# Allegro board S071AA-0413-20260427_Power3.brd (continued)
## Footprints (pads in the part's own frame, mm; a bottom-side part is the same pattern mirrored in y, then rotated) (continued)
SO8_215X127MM
  rect 1.778x0.762 smd: 1(-2.731,2.032) 4(-2.731,-2.032) 5(2.731,-2.032) 8(2.731,2.032)
  rect 1.778x0.61 smd: 2(-2.731,0.635) 3(-2.731,-0.635) 6(2.731,-0.635) 7(2.731,0.635)
SOCKET_CODE
  round 0.051 smd: 1(0,0)
TP_040_T
  round 1.016 smd: 1(0,0)
TP_060_040
  round 1.524 hole 1.016: 1(0,0)
V93K_TOUCHSENSOR_FY
  round 0.051 smd: 1(0,0)

## Nets
AGND: BDB4.1 BDB5.1 BDB6.1 BDB7.1 BDB8.1 BDB9.1 BDB10.1 BDB13.1 BDB14.1 BDB15.1 BDB16.1 BDB17.1 BDB18.1 BDB19.1 BDB20.1 BDB21.1 BDB22.1 BDB23.1 BDB24.1 BDB25.1 BDB26.1 BDB27.1 BDB28.1 BDB29.1 BDB30.1 BDB31.1 BDB32.1 BDB33.1 BDB34.1 BDB35.1 BDB36.1 BDB37.1 BDB38.1 BDB39.1 BDB40.1 BDB41.1 BDB42.1 BDB43.1 BDB44.1 BDB45.1 C1.2 C3.2 C4.2 C5.2 C6.2 C7.2 C8.2 C9.2 C20.2 C21.2 C22.2 C23.2 C24.2 C25.2 C26.2 C27.2 C28.2 C29.2 C30.2 C31.2 C32.2 C33.2 C34.2 C35.2 C36.2 C37.2 C38.2 C39.2 C40.2 C41.2 C42.2 C43.2 C44.2 C45.2 C46.2 C47.2 C48.2 C49.2 C74.2 C75.2 C76.2 C77.2 C78.2 C79.2 C80.2 C81.2 C82.2 C83.2 C84.2 C85.2 CSDPS225.B2 CSDPS225.B4 CSDPS225.B6 CSDPS225.B8 CSDPS225.B10 CSDPS225.B12 CSDPS225.B14 CSDPS225.B16 CSDPS225.C1 CSDPS225.C3 CSDPS225.C5 CSDPS225.C7 CSDPS225.C9 CSDPS225.C11 CSDPS225.C13 CSDPS225.C15 CSDPS226.B2 CSDPS226.B4 CSDPS226.B6 CSDPS226.B8 CSDPS226.B10 CSDPS226.B12 CSDPS226.B14 CSDPS226.B16 CSDPS226.C1 CSDPS226.C3 CSDPS226.C5 CSDPS226.C7 CSDPS226.C9 CSDPS226.C11 CSDPS226.C13 CSDPS226.C15 CSDPS229.B2 CSDPS229.B4 CSDPS229.B6 CSDPS229.B8 CSDPS229.B10 CSDPS229.B12 CSDPS229.B14 CSDPS229.B16 CSDPS229.C1 CSDPS229.C3 CSDPS229.C5 CSDPS229.C7 CSDPS229.C9 CSDPS229.C11 CSDPS229.C13 CSDPS229.C15 CSDPS425.B2 CSDPS425.B4 CSDPS425.B6 CSDPS425.B8 CSDPS425.B10 CSDPS425.B12 CSDPS425.B14 CSDPS425.B16 CSDPS425.C1 CSDPS425.C3 CSDPS425.C5 CSDPS425.C7 CSDPS425.C9 CSDPS425.C11 CSDPS425.C13 CSDPS425.C15 CSDPS426.B2 CSDPS426.B4 CSDPS426.B6 CSDPS426.B8 CSDPS426.B10 CSDPS426.B12 CSDPS426.B14 CSDPS426.B16 CSDPS426.C1 CSDPS426.C3 CSDPS426.C5 CSDPS426.C7 CSDPS426.C9 CSDPS426.C11 CSDPS426.C13 CSDPS426.C15 CSDPS429.B2 CSDPS429.B4 CSDPS429.B6 CSDPS429.B8 CSDPS429.B10 CSDPS429.B12 CSDPS429.B14 CSDPS429.B16 CSDPS429.C1 CSDPS429.C3 CSDPS429.C5 CSDPS429.C7 CSDPS429.C9 CSDPS429.C11 CSDPS429.C13 CSDPS429.C15 D101.A1 D101.A2 D101.A3 D101.A4 D101.A5 D101.A6 D101.A7 D101.A8 D101.A9 D101.A10 D101.A11 D101.A12 D101.A13 D101.A14 D101.A15 D101.A16 D101.B1 D101.B2 D101.B3 D101.B4 D101.B5 D101.B6 D101.B7 D101.B8 D101.B9 D101.B10 D101.B11 D101.B12 D101.B13 D101.B14 D101.B15 D101.B16 D102.A1 D102.A2 D102.A3 D102.A4 D102.A5 D102.A6 D102.A7 D102.A8 D102.A9 D102.A10 D102.A11 D102.A12 D102.A13 D102.A14 D102.A15 D102.A16 D102.B1 D102.B2 D102.B3 D102.B4 D102.B5 D102.B6 D102.B7 D102.B8 D102.B9 D102.B10 D102.B11 D102.B12 D102.B13 D102.B14 D102.B15 D102.B16 D103.A1 D103.A2 D103.A3 D103.A4 D103.A5 D103.A6 D103.A7 D103.A8 D103.A9 D103.A10 D103.A11 D103.A12 D103.A13 D103.A14 D103.A15 D103.A16 D103.B1 D103.B2 D103.B3 D103.B4 D103.B5 D103.B6 D103.B7 D103.B8 D103.B9 D103.B10 D103.B11 D103.B12 D103.B13 D103.B14 D103.B15 D103.B16 D104.A1 D104.A2 D104.A3 D104.A4 D104.A5 D104.A6 D104.A7 D104.A8 D104.A9 D104.A10 D104.A11 D104.A12 D104.A13 D104.A14 D104.A15 D104.A16 D104.B1 D104.B2 D104.B3 D104.B4 D104.B5 D104.B6 D104.B7 D104.B8 D104.B9 D104.B10 D104.B11 D104.B12 D104.B13 D104.B14 D104.B15 D104.B16 D105.A1 D105.A2 D105.A3 D105.A4 D105.A5 D105.A6 D105.A7 D105.A8 D105.A9 D105.A10 D105.A11 D105.A12 D105.A13 D105.A14 D105.A15 D105.A16 D105.B1 D105.B2 D105.B3 D105.B4 D105.B5 D105.B6 D105.B7 D105.B8 D105.B9 D105.B10 D105.B11 D105.B12 D105.B13 D105.B14 D105.B15 D105.B16 D106.A1 D106.A2 D106.A3 D106.A4 D106.A5 D106.A6 D106.A7 D106.A8 D106.A9 D106.A10 D106.A11 D106.A12 D106.A13 D106.A14 D106.A15 D106.A16 D106.B1 D106.B2 D106.B3 D106.B4 D106.B5 D106.B6 D106.B7 D106.B8 D106.B9 D106.B10 D106.B11 D106.B12 D106.B13 D106.B14 D106.B15 D106.B16 D107.A1 D107.A2 D107.A3 D107.A4 D107.A5 D107.A6 D107.A7 D107.A8 D107.A9 D107.A10 D107.A11 D107.A12 D107.A13 D107.A14 D107.A15 D107.A16 D107.B1 D107.B2 D107.B3 D107.B4 D107.B5 D107.B6 D107.B7 D107.B8 D107.B9 D107.B10 D107.B11 D107.B12 D107.B13 D107.B14 D107.B15 D107.B16 D108.A1 D108.A2 D108.A3 D108.A4 D108.A5 D108.A6 D108.A7 D108.A8 D108.A9 D108.A10 D108.A11 D108.A12 D108.A13 D108.A14 D108.A15 D108.A16 D108.B1 D108.B2 D108.B3 D108.B4 D108.B5 D108.B6 D108.B7 D108.B8 D108.B9 D108.B10 D108.B11 D108.B12 D108.B13 D108.B14 D108.B15 D108.B16 D109.A1 D109.A2 D109.A3 D109.A4 D109.A5 D109.A6 D109.A7 D109.A8 D109.A9 D109.A10 D109.A11 D109.A12 D109.A13 D109.A14 D109.A15 D109.A16 D109.B1 D109.B2 D109.B3 D109.B4 D109.B5 D109.B6 D109.B7 D109.B8 D109.B9 D109.B10 D109.B11 D109.B12 D109.B13 D109.B14 D109.B15 D109.B16 D110.A1 D110.A2 D110.A3 D110.A4 D110.A5 D110.A6 D110.A7 D110.A8 D110.A9 D110.A10 D110.A11 D110.A12 D110.A13 D110.A14 D110.A15 D110.A16 D110.B1 D110.B2 D110.B3 D110.B4 D110.B5 D110.B6 D110.B7 D110.B8 D110.B9 D110.B10 D110.B11 D110.B12 D110.B13 D110.B14 D110.B15 D110.B16 D111.A1 D111.A2 D111.A3 D111.A4 D111.A5 D111.A6 D111.A7 D111.A8 D111.A9 D111.A10 D111.A11 D111.A12 D111.A13 D111.A14 D111.A15 D111.A16 D111.B1 D111.B2 D111.B3 D111.B4 D111.B5 D111.B6 D111.B7 D111.B8 D111.B9 D111.B10 D111.B11 D111.B12 D111.B13 D111.B14 D111.B15 D111.B16 D112.A1 D112.A2 D112.A3 D112.A4 D112.A5 D112.A6 D112.A7 D112.A8 D112.A9 D112.A10 D112.A11 D112.A12 D112.A13 D112.A14 D112.A15 D112.A16 D112.B1 D112.B2 D112.B3 D112.B4 D112.B5 D112.B6 D112.B7 D112.B8 D112.B9 D112.B10 D112.B11 D112.B12 D112.B13 D112.B14 D112.B15 D112.B16 D113.A1 D113.A2 D113.A3 D113.A4 D113.A5 D113.A6 D113.A7 D113.A8 D113.A9 D113.A10 D113.A11 D113.A12 D113.A13 D113.A14 D113.A15 D113.A16 D113.B1 D113.B2 D113.B3 D113.B4 D113.B5 D113.B6 D113.B7 D113.B8 D113.B9 D113.B10 D113.B11 D113.B12 D113.B13 D113.B14 D113.B15 D113.B16 D114.A1 D114.A2 D114.A3 D114.A4 D114.A5 D114.A6 D114.A7 D114.A8 D114.A9 D114.A10 D114.A11 D114.A12 D114.A13 D114.A14 D114.A15 D114.A16 D114.B1 D114.B2 D114.B3 D114.B4 D114.B5 D114.B6 D114.B7 D114.B8 D114.B9 D114.B10 D114.B11 D114.B12 D114.B13 D114.B14 D114.B15 D114.B16 D115.A1 D115.A2 D115.A3 D115.A4 D115.A5 D115.A6 D115.A7 D115.A8 D115.A9 D115.A10 D115.A11 D115.A12 D115.A13 D115.A14 D115.A15 D115.A16 D115.B1 D115.B2 D115.B3 D115.B4 D115.B5 D115.B6 D115.B7 D115.B8 D115.B9 D115.B10 D115.B11 D115.B12 D115.B13 D115.B14 D115.B15 D115.B16 D116.A1 D116.A2 D116.A3 D116.A4 D116.A5 D116.A6 D116.A7 D116.A8 D116.A9 D116.A10 D116.A11 D116.A12 D116.A13 D116.A14 D116.A15 D116.A16 D116.B1 D116.B2 D116.B3 D116.B4 D116.B5 D116.B6 D116.B7 D116.B8 D116.B9 D116.B10 D116.B11 D116.B12 D116.B13 D116.B14 D116.B15 D116.B16 D117.A1 D117.A2 D117.A3 D117.A4 D117.A5 D117.A6 D117.A7 D117.A8 D117.A9 D117.A10 D117.A11 D117.A12 D117.A13 D117.A14 D117.A15 D117.A16 D117.B1 D117.B2 D117.B3 D117.B4 D117.B5 D117.B6 D117.B7 D117.B8 D117.B9 D117.B10 D117.B11 D117.B12 D117.B13 D117.B14 D117.B15 D117.B16 D118.A1 D118.A2 D118.A3 D118.A4 D118.A5 D118.A6 D118.A7 D118.A8 D118.A9 D118.A10 D118.A11 D118.A12 D118.A13 D118.A14 D118.A15 D118.A16 D118.B1 D118.B2 D118.B3 D118.B4 D118.B5 D118.B6 D118.B7 D118.B8 D118.B9 D118.B10 D118.B11 D118.B12 D118.B13 D118.B14 D118.B15 D118.B16 D119.A1 D119.A2 D119.A3 D119.A4 D119.A5 D119.A6 D119.A7 D119.A8 D119.A9 D119.A10 D119.A11 D119.A12 D119.A13 D119.A14 D119.A15 D119.A16 D119.B1 D119.B2 D119.B3 D119.B4 D119.B5 D119.B6 D119.B7 D119.B8 D119.B9 D119.B10 D119.B11 D119.B12 D119.B13 D119.B14 D119.B15 D119.B16 D120.A1 D120.A2 D120.A3 D120.A4 D120.A5 D120.A6 D120.A7 D120.A8 D120.A9 D120.A10 D120.A11 D120.A12 D120.A13 D120.A14 D120.A15 D120.A16 D120.B1 D120.B2 D120.B3 D120.B4 D120.B5 D120.B6 D120.B7 D120.B8 D120.B9 D120.B10 D120.B11 D120.B12 D120.B13 D120.B14 D120.B15 D120.B16 D121.A1 D121.A2 D121.A3 D121.A4 D121.A5 D121.A6 D121.A7 D121.A8 D121.A9 D121.A10 D121.A11 D121.A12 D121.A13 D121.A14 D121.A15 D121.A16 D121.B1 D121.B2 D121.B3 D121.B4 D121.B5 D121.B6 D121.B7 D121.B8 D121.B9 D121.B10 D121.B11 D121.B12 D121.B13 D121.B14 D121.B15 D121.B16 D122.A1 D122.A2 D122.A3 D122.A4 D122.A5 D122.A6 D122.A7 D122.A8 D122.A9 D122.A10 D122.A11 D122.A12 D122.A13 D122.A14 D122.A15 D122.A16 D122.B1 D122.B2 D122.B3 D122.B4 D122.B5 D122.B6 D122.B7 D122.B8 D122.B9 D122.B10 D122.B11 D122.B12 D122.B13 D122.B14 D122.B15 D122.B16 D123.A1 D123.A2 D123.A3 D123.A4 D123.A5 D123.A6 D123.A7 D123.A8 D123.A9 D123.A10 D123.A11 D123.A12 D123.A13 D123.A14 D123.A15 D123.A16 D123.B1 D123.B2 D123.B3 D123.B4 D123.B5 D123.B6 D123.B7 D123.B8 D123.B9 D123.B10 D123.B11 D123.B12 D123.B13 D123.B14 D123.B15 D123.B16 D124.A1 D124.A2 D124.A3 D124.A4 D124.A5 D124.A6 D124.A7 D124.A8 D124.A9 D124.A10 D124.A11 D124.A12 D124.A13 D124.A14 D124.A15 D124.A16 D124.B1 D124.B2 D124.B3 D124.B4 D124.B5 D124.B6 D124.B7 D124.B8 D124.B9 D124.B10 D124.B11 D124.B12 D124.B13 D124.B14 D124.B15 D124.B16 D227.A1 D227.A2 D227.A3 D227.A4 D227.A5 D227.A6 D227.A7 D227.A8 D227.A9 D227.A10 D227.A11 D227.A12 D227.A13 D227.A14 D227.A15 D227.A16 D227.A17 D227.B1 D227.B2 D227.B3 D227.B4 D227.B5 D227.B6 D227.B7 D227.B8 D227.B9 D227.B10 D227.B11 D227.B12 D227.B13 D227.B14 D227.B15 D227.B16 D227.B17 D228.A1 D228.A2 D228.A3 D228.A4 D228.A5 D228.A6 D228.A7 D228.A8 D228.A9 D228.A10 D228.A11 D228.A12 D228.A13 D228.A14 D228.A15 D228.A16 D228.A17 D228.B1 D228.B2 D228.B3 D228.B4 D228.B5 D228.B6 D228.B7 D228.B8 D228.B9 D228.B10 D228.B11 D228.B12 D228.B13 D228.B14 D228.B15 D228.B16 D228.B17 D231.A1 D231.A2 D231.A3 D231.A4 D231.A5 D231.A6 D231.A7 D231.A8 D231.A9 D231.A10 D231.A11 D231.A12 D231.A13 D231.A14 D231.A15 D231.A16 D231.A17 D231.B1 D231.B2 D231.B3 D231.B4 D231.B5 D231.B6 D231.B7 D231.B8 D231.B9 D231.B10 D231.B11 D231.B12 D231.B13 D231.B14 D231.B15 D231.B16 D231.B17 D232.A1 D232.A2 D232.A3 D232.A4 D232.A5 D232.A6 D232.A7 D232.A8 D232.A9 D232.A10 D232.A11 D232.A12 D232.A13 D232.A14 D232.A15 D232.A16 D232.A17 D232.B1 D232.B2 D232.B3 D232.B4 D232.B5 D232.B6 D232.B7 D232.B8 D232.B9 D232.B10 D232.B11 D232.B12 D232.B13 D232.B14 D232.B15 D232.B16 D232.B17 D427.A1 D427.A2 D427.A3 D427.A4 D427.A5 D427.A6 D427.A7 D427.A8 D427.A9 D427.A10 D427.A11 D427.A12 D427.A13 D427.A14 D427.A15 D427.A16 D427.A17 D427.B1 D427.B2 D427.B3 D427.B4 D427.B5 D427.B6 D427.B7 D427.B8 D427.B9 D427.B10 D427.B11 D427.B12 D427.B13 D427.B14 D427.B15 D427.B16 D427.B17 D428.A1 D428.A2 D428.A3 D428.A4 D428.A5 D428.A6 D428.A7 D428.A8 D428.A9 D428.A10 D428.A11 D428.A12 D428.A13 D428.A14 D428.A15 D428.A16 D428.A17 D428.B1 D428.B2 D428.B3 D428.B4 D428.B5 D428.B6 D428.B7 D428.B8 D428.B9 D428.B10 D428.B11 D428.B12 D428.B13 D428.B14 D428.B15 D428.B16 D428.B17 D431.A1 D431.A2 D431.A3 D431.A4 D431.A5 D431.A6 D431.A7 D431.A8 D431.A9 D431.A10 D431.A11 D431.A12 D431.A13 D431.A14 D431.A15 D431.A16 D431.A17 D431.B1 D431.B2 D431.B3 D431.B4 D431.B5 D431.B6 D431.B7 D431.B8 D431.B9 D431.B10 D431.B11 D431.B12 D431.B13 D431.B14 D431.B15 D431.B16 D431.B17 D432.A1 D432.A2 D432.A3 D432.A4 D432.A5 D432.A6 D432.A7 D432.A8 D432.A9 D432.A10 D432.A11 D432.A12 D432.A13 D432.A14 D432.A15 D432.A16 D432.A17 D432.B1 D432.B2 D432.B3 D432.B4 D432.B5 D432.B6 D432.B7 D432.B8 D432.B9 D432.B10 D432.B11 D432.B12 D432.B13 D432.B14 D432.B15 D432.B16 D432.B17 DPS1.A01 DPS1.A05 DPS1.A11 DPS1.A15 DPS1.B01 DPS1.B05 DPS1.B11 DPS1.B15 DPS1.C01 DPS1.C05 DPS1.C11 DPS1.C15 DPS2.A01 DPS2.A05 DPS2.A11 DPS2.A15 DPS2.B01 DPS2.B05 DPS2.B11 DPS2.B15 DPS2.C01 DPS2.C05 DPS2.C11 DPS2.C15 DPS3.A01 DPS3.A05 DPS3.A11 DPS3.A15 DPS3.B01 DPS3.B05 DPS3.B11 DPS3.B15 DPS3.C01 DPS3.C05 DPS3.C11 DPS3.C15 DPS8.A01 DPS8.A05 DPS8.A11 DPS8.A15 DPS8.B01 DPS8.B05 DPS8.B11 DPS8.B15 DPS8.C01 DPS8.C05 DPS8.C11 DPS8.C15 KS3.6(GND2) KS3.7(GND1) KS4.6(GND2) KS4.7(GND1) OSC1.2(GND) SB1.1 SB13.1 SB14.1 SB15.1 SH4.1 SH14.1 SH16.1 SITE1.E5(GNDK[1]) SITE1.E6(GNDK[2]) SITE1.E9(GNDK[3]) SITE1.E13(GNDK[4]) SITE1.E14(GNDK[5]) SITE1.F16(GNDK[6]) SITE1.G16(GNDK[7]) SITE1.H5(GNDK[8]) SITE1.H10(GNDK[9]) SITE1.H11(GNDK[10]) SITE1.J5(GNDK[11]) SITE1.J10(GNDK[12]) SITE1.J11(GNDK[13]) SITE1.K8(GNDK[14]) SITE1.K9(GNDK[15]) SITE1.K10(GNDK[16]) SITE1.K11(GNDK[17]) SITE1.K12(GNDK[18]) SITE1.K13(GNDK[19]) SITE1.L8(GNDK[20]) SITE1.L9(GNDK[21]) SITE1.L10(GNDK[22]) SITE1.L11(GNDK[23]) SITE1.L12(GNDK[24]) SITE1.M3(GNDK[25]) SITE1.M4(GNDK[26]) SITE1.M5(GNDK[27]) SITE1.M10(GNDK[28]) SITE1.M11(GNDK[29]) SITE1.T11(GND3IO_OSC) SITE1.T15(GNDK[30]) UHC230.G3 UHC230.G3_1 UHC230.G3_2 UHC230.G3_3 UHC230.G3_4 UHC230.G3_5 UHC230.G3_6 UHC230.G3_7 UHC230.G3_8 UHC230.G3_9 UHC230.G3_10 UHC230.G3_11 UHC230.G3_12 UHC230.G3_13 UHC230.G4 UHC230.G4_1 UHC230.G4_2 UHC230.G4_3 UHC230.G4_4 UHC230.G4_5 UHC230.G4_6 UHC230.G4_7 UHC230.G4_8 UHC230.G4_9 UHC230.G4_10 UHC230.G4_11 UHC230.G4_12 UHC230.G4_13 UHC430.G1 UHC430.G1_1 UHC430.G1_2 UHC430.G1_3 UHC430.G1_4 UHC430.G1_5 UHC430.G1_6 UHC430.G1_7 UHC430.G1_8 UHC430.G1_9 UHC430.G1_10 UHC430.G1_11 UHC430.G1_12 UHC430.G1_13 UHC430.G2 UHC430.G2_1 UHC430.G2_2 UHC430.G2_3 UHC430.G2_4 UHC430.G2_5 UHC430.G2_6 UHC430.G2_7 UHC430.G2_8 UHC430.G2_9 UHC430.G2_10 UHC430.G2_11 UHC430.G2_12 UHC430.G2_13
GND12A_SCG: BDB5.2 BDB6.2 BDB7.2 BDB8.2 BDB38.2 BDB39.2 BDB40.2 BDB41.2 C10.2 C50.2 C51.2 C52.2 C53.2 C54.2 C55.2 SH6.1 SITE1.T14(GND12A_SCG)
GND33A_ADC12: BDB9.2 BDB10.2 BDB17.2 BDB18.2 BDB34.2 BDB35.2 BDB36.2 BDB37.2 C11.2 C12.2 C13.2 C14.2 C56.2 C57.2 C58.2 C59.2 C60.2 C61.2 K33.6(GND2) K33.7(GND1) K34.6(GND2) K34.7(GND1) K35.6(GND2) K35.7(GND1) K36.6(GND2) K36.7(GND1) K37.6(GND2) K37.7(GND1) K38.6(GND2) K38.7(GND1) K39.6(GND2) K39.7(GND1) K40.6(GND2) K40.7(GND1) K41.6(GND2) K41.7(GND1) K42.6(GND2) K42.7(GND1) K43.6(GND2) K43.7(GND1) K44.6(GND2) K44.7(GND1) SH8.1 SITE1.N11(GND33D_ADC12) SITE1.T7(GND33A_ADC12[1]) SITE1.T10(XVRB_ADC12) SITE1.U10(GND33A_ADC12[2]) SITE1.V10(GND33A_ADC12[3]) SITE1.W6(GND33A_ADC12[4]) SITE1.W10(GND33A_ADC12[5]) SITE1.Y6(GND33A_ADC12[6]) SITE1.Y10(GND33A_ADC12[7])
GND33A_ADC32: BDB13.2 BDB14.2 BDB15.2 BDB16.2 BDB30.2 BDB31.2 BDB32.2 BDB33.2 C15.2 C16.2 C17.2 C18.2 C62.2 C63.2 C64.2 C65.2 C66.2 C67.2 K1.6(GND2) K1.7(GND1) K2.6(GND2) K2.7(GND1) K3.6(GND2) K3.7(GND1) K4.6(GND2) K4.7(GND1) K5.6(GND2) K5.7(GND1) K6.6(GND2) K6.7(GND1) K7.6(GND2) K7.7(GND1) K8.6(GND2) K8.7(GND1) K9.6(GND2) K9.7(GND1) K10.6(GND2) K10.7(GND1) K11.6(GND2) K11.7(GND1) K12.6(GND2) K12.7(GND1) K13.6(GND2) K13.7(GND1) K14.6(GND2) K14.7(GND1) K15.6(GND2) K15.7(GND1) K16.6(GND2) K16.7(GND1) K17.6(GND2) K17.7(GND1) K18.6(GND2) K18.7(GND1) K19.6(GND2) K19.7(GND1) K20.6(GND2) K20.7(GND1) K21.6(GND2) K21.7(GND1) K22.6(GND2) K22.7(GND1) K23.6(GND2) K23.7(GND1) K24.6(GND2) K24.7(GND1) K25.6(GND2) K25.7(GND1) K26.6(GND2) K26.7(GND1) K27.6(GND2) K27.7(GND1) K28.6(GND2) K28.7(GND1) K29.6(GND2) K29.7(GND1) K30.6(GND2) K30.7(GND1) K31.6(GND2) K31.7(GND1) K32.6(GND2) K32.7(GND1) SH10.1 SITE1.N1(GND33A_ADC32[1]) SITE1.N2(GND33A_ADC32[2]) SITE1.N3(GND33A_ADC32[3]) SITE1.N4(GND33A_ADC32[4]) SITE1.N5(GND33A_ADC32[5]) SITE1.N10(GND33D_ADC32) SITE1.P5(GND33A_ADC32[6]) SITE1.T6(XVRB_ADC32) SITE1.U6(GND33A_ADC32[7]) SITE1.V6(GND33A_ADC32[8])
GNDA_REG: BDB22.2 BDB23.2 BDB24.2 BDB25.2 BDB26.2 BDB27.2 BDB28.2 BDB29.2 C2.2 C19.2 C68.2 C69.2 C70.2 C71.2 C72.2 C73.2 SH12.1 SITE1.L13(GNDA_REG)
CSDPS225GS1: CSDPS225.D2
CSDPS225GS2: CSDPS225.A1
CSDPS225GS3: CSDPS225.D4
CSDPS225GS4: CSDPS225.A3
CSDPS225GS5: CSDPS225.D6
CSDPS225GS6: CSDPS225.A5
CSDPS225GS7: CSDPS225.D8
CSDPS225GS8: CSDPS225.A7
CSDPS225GS9: CSDPS225.D10
CSDPS225GS10: CSDPS225.A9
CSDPS225GS11: CSDPS225.D12
CSDPS225GS12: CSDPS225.A11
CSDPS225GS13: CSDPS225.D14
CSDPS225GS14: CSDPS225.A13
CSDPS225GS15: CSDPS225.D16
CSDPS225GS16: CSDPS225.A15
CSDPS225P1: CSDPS225.B1
CSDPS225P2: CSDPS225.C2
CSDPS225P3: CSDPS225.B3
CSDPS225P4: CSDPS225.C4
CSDPS225P5: CSDPS225.B5
CSDPS225P6: CSDPS225.C6
CSDPS225P7: CSDPS225.B7
CSDPS225P8: CSDPS225.C8
CSDPS225P9: CSDPS225.B9
CSDPS225P10: CSDPS225.C10
CSDPS225P11: CSDPS225.B11
CSDPS225P12: CSDPS225.C12
CSDPS225P13: CSDPS225.B13
CSDPS225P14: CSDPS225.C14
CSDPS225P15: CSDPS225.B15
CSDPS225P16: CSDPS225.C16
CSDPS225PS1: CSDPS225.D1
CSDPS225PS2: CSDPS225.A2
CSDPS225PS3: CSDPS225.D3
CSDPS225PS4: CSDPS225.A4
CSDPS225PS5: CSDPS225.D5
CSDPS225PS6: CSDPS225.A6
CSDPS225PS7: CSDPS225.D7
CSDPS225PS8: CSDPS225.A8
CSDPS225PS9: CSDPS225.D9
CSDPS225PS10: CSDPS225.A10
CSDPS225PS11: CSDPS225.D11
CSDPS225PS12: CSDPS225.A12
CSDPS225PS13: CSDPS225.D13
CSDPS225PS14: CSDPS225.A14
CSDPS225PS15: CSDPS225.D15
CSDPS225PS16: CSDPS225.A16
CSDPS226GS1: CSDPS226.D2
CSDPS226GS2: CSDPS226.A1
CSDPS226GS3: CSDPS226.D4
CSDPS226GS4: CSDPS226.A3
CSDPS226GS5: CSDPS226.D6
CSDPS226GS6: CSDPS226.A5
CSDPS226GS7: CSDPS226.D8
CSDPS226GS8: CSDPS226.A7
CSDPS226GS9: CSDPS226.D10
CSDPS226GS10: CSDPS226.A9
CSDPS226GS11: CSDPS226.D12
CSDPS226GS12: CSDPS226.A11
CSDPS226GS13: CSDPS226.D14
CSDPS226GS14: CSDPS226.A13
CSDPS226GS15: CSDPS226.D16
CSDPS226GS16: CSDPS226.A15
CSDPS226P1: CSDPS226.B1
CSDPS226P2: CSDPS226.C2
CSDPS226P3: CSDPS226.B3
CSDPS226P4: CSDPS226.C4
CSDPS226P5: CSDPS226.B5
CSDPS226P6: CSDPS226.C6
CSDPS226P7: CSDPS226.B7
CSDPS226P8: CSDPS226.C8
CSDPS226P9: CSDPS226.B9
CSDPS226P10: CSDPS226.C10
CSDPS226P11: CSDPS226.B11
CSDPS226P12: CSDPS226.C12
CSDPS226P13: CSDPS226.B13
CSDPS226P14: CSDPS226.C14
CSDPS226P15: CSDPS226.B15
CSDPS226P16: CSDPS226.C16
CSDPS226PS1: CSDPS226.D1
CSDPS226PS2: CSDPS226.A2
CSDPS226PS3: CSDPS226.D3
CSDPS226PS4: CSDPS226.A4
CSDPS226PS5: CSDPS226.D5
CSDPS226PS6: CSDPS226.A6
CSDPS226PS7: CSDPS226.D7
CSDPS226PS8: CSDPS226.A8
CSDPS226PS9: CSDPS226.D9
CSDPS226PS10: CSDPS226.A10
CSDPS226PS11: CSDPS226.D11
CSDPS226PS12: CSDPS226.A12
CSDPS226PS13: CSDPS226.D13
CSDPS226PS14: CSDPS226.A14
CSDPS226PS15: CSDPS226.D15
CSDPS226PS16: CSDPS226.A16
CSDPS226WW: CSDPS226.B17
CSDPS226XX: CSDPS226.C17
CSDPS229GS1: CSDPS229.D2
CSDPS229GS2: CSDPS229.A1
CSDPS229GS3: CSDPS229.D4
CSDPS229GS4: CSDPS229.A3
CSDPS229GS5: CSDPS229.D6
CSDPS229GS6: CSDPS229.A5
CSDPS229GS7: CSDPS229.D8
CSDPS229GS8: CSDPS229.A7
CSDPS229GS9: CSDPS229.D10
CSDPS229GS10: CSDPS229.A9
CSDPS229GS11: CSDPS229.D12
CSDPS229GS12: CSDPS229.A11
CSDPS229GS13: CSDPS229.D14
CSDPS229GS14: CSDPS229.A13
CSDPS229GS15: CSDPS229.D16
CSDPS229GS16: CSDPS229.A15
CSDPS229P1: CSDPS229.B1
CSDPS229P2: CSDPS229.C2
CSDPS229P3: CSDPS229.B3
CSDPS229P4: CSDPS229.C4
CSDPS229P5: CSDPS229.B5
CSDPS229P6: CSDPS229.C6
CSDPS229P7: CSDPS229.B7
CSDPS229P8: CSDPS229.C8
CSDPS229P9: CSDPS229.B9
CSDPS229P10: CSDPS229.C10
CSDPS229P11: CSDPS229.B11
CSDPS229P12: CSDPS229.C12
CSDPS229P13: CSDPS229.B13
CSDPS229P14: CSDPS229.C14
CSDPS229P15: CSDPS229.B15
CSDPS229P16: CSDPS229.C16
CSDPS229PS1: CSDPS229.D1
CSDPS229PS2: CSDPS229.A2
CSDPS229PS3: CSDPS229.D3
CSDPS229PS4: CSDPS229.A4
CSDPS229PS5: CSDPS229.D5
CSDPS229PS6: CSDPS229.A6
CSDPS229PS7: CSDPS229.D7
CSDPS229PS8: CSDPS229.A8
CSDPS229PS9: CSDPS229.D9
CSDPS229PS10: CSDPS229.A10
CSDPS229PS11: CSDPS229.D11
CSDPS229PS12: CSDPS229.A12
CSDPS229PS13: CSDPS229.D13
CSDPS229PS14: CSDPS229.A14
CSDPS229PS15: CSDPS229.D15
CSDPS229PS16: CSDPS229.A16
CSDPS425GS1: CSDPS425.D2
CSDPS425GS2: CSDPS425.A1
CSDPS425GS3: CSDPS425.D4
CSDPS425GS4: CSDPS425.A3
CSDPS425GS5: CSDPS425.D6
CSDPS425GS6: CSDPS425.A5
CSDPS425GS7: CSDPS425.D8
CSDPS425GS8: CSDPS425.A7
CSDPS425GS9: CSDPS425.D10
CSDPS425GS10: CSDPS425.A9
CSDPS425GS11: CSDPS425.D12
CSDPS425GS12: CSDPS425.A11
CSDPS425GS13: CSDPS425.D14
CSDPS425GS14: CSDPS425.A13
CSDPS425GS15: CSDPS425.D16
CSDPS425GS16: CSDPS425.A15
CSDPS425P1: CSDPS425.B1
CSDPS425P2: CSDPS425.C2
CSDPS425P3: CSDPS425.B3
CSDPS425P4: CSDPS425.C4
CSDPS425P5: CSDPS425.B5
CSDPS425P6: CSDPS425.C6
CSDPS425P7: CSDPS425.B7
CSDPS425P8: CSDPS425.C8
CSDPS425P9: CSDPS425.B9
CSDPS425P10: CSDPS425.C10
CSDPS425P11: CSDPS425.B11
CSDPS425P12: CSDPS425.C12
CSDPS425P13: CSDPS425.B13
CSDPS425P14: CSDPS425.C14
CSDPS425P15: CSDPS425.B15
CSDPS425P16: CSDPS425.C16
CSDPS425PS1: CSDPS425.D1
CSDPS425PS2: CSDPS425.A2
CSDPS425PS3: CSDPS425.D3
CSDPS425PS4: CSDPS425.A4
CSDPS425PS5: CSDPS425.D5
CSDPS425PS6: CSDPS425.A6
CSDPS425PS7: CSDPS425.D7
CSDPS425PS8: CSDPS425.A8
CSDPS425PS9: CSDPS425.D9
CSDPS425PS10: CSDPS425.A10
CSDPS425PS11: CSDPS425.D11
CSDPS425PS12: CSDPS425.A12
CSDPS425PS13: CSDPS425.D13
CSDPS425PS14: CSDPS425.A14
CSDPS425PS15: CSDPS425.D15
CSDPS425PS16: CSDPS425.A16
CSDPS426GS1: CSDPS426.D2
CSDPS426GS2: CSDPS426.A1
CSDPS426GS3: CSDPS426.D4
CSDPS426GS4: CSDPS426.A3
CSDPS426GS5: CSDPS426.D6
CSDPS426GS6: CSDPS426.A5
CSDPS426GS7: CSDPS426.D8
CSDPS426GS8: CSDPS426.A7
CSDPS426GS9: CSDPS426.D10
CSDPS426GS10: CSDPS426.A9
CSDPS426GS11: CSDPS426.D12
CSDPS426GS12: CSDPS426.A11
CSDPS426GS13: CSDPS426.D14
CSDPS426GS14: CSDPS426.A13
CSDPS426GS15: CSDPS426.D16
CSDPS426GS16: CSDPS426.A15
CSDPS426P1: CSDPS426.B1
CSDPS426P2: CSDPS426.C2
CSDPS426P3: CSDPS426.B3
CSDPS426P4: CSDPS426.C4
CSDPS426P5: CSDPS426.B5
CSDPS426P6: CSDPS426.C6
CSDPS426P7: CSDPS426.B7
CSDPS426P8: CSDPS426.C8
CSDPS426P9: CSDPS426.B9
CSDPS426P10: CSDPS426.C10
CSDPS426P11: CSDPS426.B11
CSDPS426P12: CSDPS426.C12
CSDPS426P13: CSDPS426.B13
CSDPS426P14: CSDPS426.C14
CSDPS426P15: CSDPS426.B15
CSDPS426P16: CSDPS426.C16
CSDPS426PS1: CSDPS426.D1
CSDPS426PS2: CSDPS426.A2
CSDPS426PS3: CSDPS426.D3
CSDPS426PS4: CSDPS426.A4
CSDPS426PS5: CSDPS426.D5
CSDPS426PS6: CSDPS426.A6
CSDPS426PS7: CSDPS426.D7
CSDPS426PS8: CSDPS426.A8
CSDPS426PS9: CSDPS426.D9
CSDPS426PS10: CSDPS426.A10
CSDPS426PS11: CSDPS426.D11
CSDPS426PS12: CSDPS426.A12
CSDPS426PS13: CSDPS426.D13
CSDPS426PS14: CSDPS426.A14
CSDPS426PS15: CSDPS426.D15
CSDPS426PS16: CSDPS426.A16
CSDPS426WW: CSDPS426.B17
CSDPS426XX: CSDPS426.C17
CSDPS429GS1: CSDPS429.D2
CSDPS429GS2: CSDPS429.A1
CSDPS429GS3: CSDPS429.D4
CSDPS429GS4: CSDPS429.A3
CSDPS429GS5: CSDPS429.D6
CSDPS429GS6: CSDPS429.A5
CSDPS429GS7: CSDPS429.D8
CSDPS429GS8: CSDPS429.A7
CSDPS429GS9: CSDPS429.D10
CSDPS429GS10: CSDPS429.A9
CSDPS429GS11: CSDPS429.D12
CSDPS429GS12: CSDPS429.A11
CSDPS429GS13: CSDPS429.D14
CSDPS429GS14: CSDPS429.A13
CSDPS429GS15: CSDPS429.D16
CSDPS429GS16: CSDPS429.A15
CSDPS429P1: CSDPS429.B1
CSDPS429P2: CSDPS429.C2
CSDPS429P3: CSDPS429.B3
CSDPS429P4: CSDPS429.C4
CSDPS429P5: CSDPS429.B5
CSDPS429P6: CSDPS429.C6
CSDPS429P7: CSDPS429.B7
CSDPS429P8: CSDPS429.C8
CSDPS429P9: CSDPS429.B9
CSDPS429P10: CSDPS429.C10
CSDPS429P11: CSDPS429.B11
CSDPS429P12: CSDPS429.C12
CSDPS429P13: CSDPS429.B13
CSDPS429P14: CSDPS429.C14
CSDPS429P15: CSDPS429.B15
CSDPS429P16: CSDPS429.C16
CSDPS429PS1: CSDPS429.D1
CSDPS429PS2: CSDPS429.A2
CSDPS429PS3: CSDPS429.D3
CSDPS429PS4: CSDPS429.A4
CSDPS429PS5: CSDPS429.D5
CSDPS429PS6: CSDPS429.A6
CSDPS429PS7: CSDPS429.D7
CSDPS429PS8: CSDPS429.A8
CSDPS429PS9: CSDPS429.D9
CSDPS429PS10: CSDPS429.A10
CSDPS429PS11: CSDPS429.D11
CSDPS429PS12: CSDPS429.A12
CSDPS429PS13: CSDPS429.D13
CSDPS429PS14: CSDPS429.A14
CSDPS429PS15: CSDPS429.D15
CSDPS429PS16: CSDPS429.A16
D227_4_TRIG: D227.04
D228_4_TRIG: D228.04
D231_MCB1_CT2: D231.17 TR3.1
D231_MCB1_E+: D231.16
D231_MCB1_E-: D231.15
D231_MCB1_EE+: D231.08
D231_MCB1_EE-: D231.07
D231_MCB1_F+: D231.14
D231_MCB1_F-: D231.13
D231_MCB1_FF+: D231.06
D231_MCB1_FF-: D231.05
D231_MCB1_G+: D231.12
D231_MCB1_G-: D231.11
D231_MCB1_GG+: D231.04
D231_MCB1_GG-: D231.03
D231_MCB1_H+: D231.10
D231_MCB1_H-: D231.09
D231_MCB1_HH+: D231.02
D231_MCB1_HH-: D231.01
D232_4_TRIG: D232.04
D232_MCB1_CT2: D232.17
D232_MCB1_E+: D232.16
D232_MCB1_E-: D232.15
D232_MCB1_EE+: D232.08
D232_MCB1_EE-: D232.07
D232_MCB1_F+: D232.14
D232_MCB1_F-: D232.13
D232_MCB1_FF+: D232.06
D232_MCB1_FF-: D232.05
D232_MCB1_G+: D232.12
D232_MCB1_G-: D232.11
D232_MCB1_GG-: D232.03
D232_MCB1_H+: D232.10
D232_MCB1_H-: D232.09
D232_MCB1_HH+: D232.02
D232_MCB1_HH-: D232.01
D431_MCB1_A+: D431.16 K1.5 K2.5 K3.5 K4.5 K5.5 K6.5 K7.5 K8.5 K9.5 K10.5 K11.5 K12.5 K13.5 K14.5 K15.5 K16.5
D431_MCB1_A-: D431.15 K17.5 K18.5 K19.5 K20.5 K21.5 K22.5 K23.5 K24.5 K25.5 K26.5 K27.5 K28.5 K29.5 K30.5 K31.5 K32.5
D431_MCB1_AA+: D431.08
D431_MCB1_AA-: D431.07
D431_MCB1_B+: D431.14
D431_MCB1_B-: D431.13
D431_MCB1_BB+: D431.06
D431_MCB1_BB-: D431.05
D431_MCB1_C+: D431.12 K33.5 K34.5 K35.5 K36.5 K37.5 K38.5
D431_MCB1_C-: D431.11 K39.5 K40.5 K41.5 K42.5 K43.5 K44.5
D431_MCB1_CC+: D431.04
D431_MCB1_CC-: D431.03
D431_MCB1_CT1: D431.17 TR2.1
D431_MCB1_D+: D431.10
D431_MCB1_D-: D431.09
D431_MCB1_DD+: D431.02
D431_MCB1_DD-: D431.01
D432_MCB1_A+: D432.16
D432_MCB1_A-: D432.15
D432_MCB1_AA+: D432.08
D432_MCB1_AA-: D432.07
D432_MCB1_B+: D432.14
D432_MCB1_B-: D432.13
D432_MCB1_BB+: D432.06
D432_MCB1_BB-: D432.05
D432_MCB1_C+: D432.12
D432_MCB1_C-: D432.11
D432_MCB1_CC+: D432.04
D432_MCB1_CC-: D432.03
D432_MCB1_CT1: D432.17
D432_MCB1_D+: D432.10
D432_MCB1_D-: D432.09
D432_MCB1_DD+: D432.02
D432_MCB1_DD-: D432.01
D10101: D101.01
D10102: D101.02
D10103: D101.03
D10104: D101.04
D10105: D101.05
D10106: D101.06
D10107: D101.07
D10108: D101.08
D10109: D101.09
D10110: D101.10
D10111: D101.11
D10112: D101.12
D10113: D101.13
D10114: D101.14
D10115: D101.15
D10116: D101.16
D10201: D102.01
D10202: D102.02
D10203: D102.03
D10204: D102.04
D10205: D102.05
D10206: D102.06
D10207: D102.07
D10208: D102.08
D10209: D102.09
D10210: D102.10
D10211: D102.11
D10212: D102.12
D10213: D102.13
D10214: D102.14
D10215: D102.15
D10216: D102.16
D10301: D103.01
D10302: D103.02
D10303: D103.03
D10304: D103.04
D10305: D103.05
D10306: D103.06
D10307: D103.07
D10308: D103.08